# Altium PCB STM32MINI.PcbDoc (part 1 of 3) (continued)
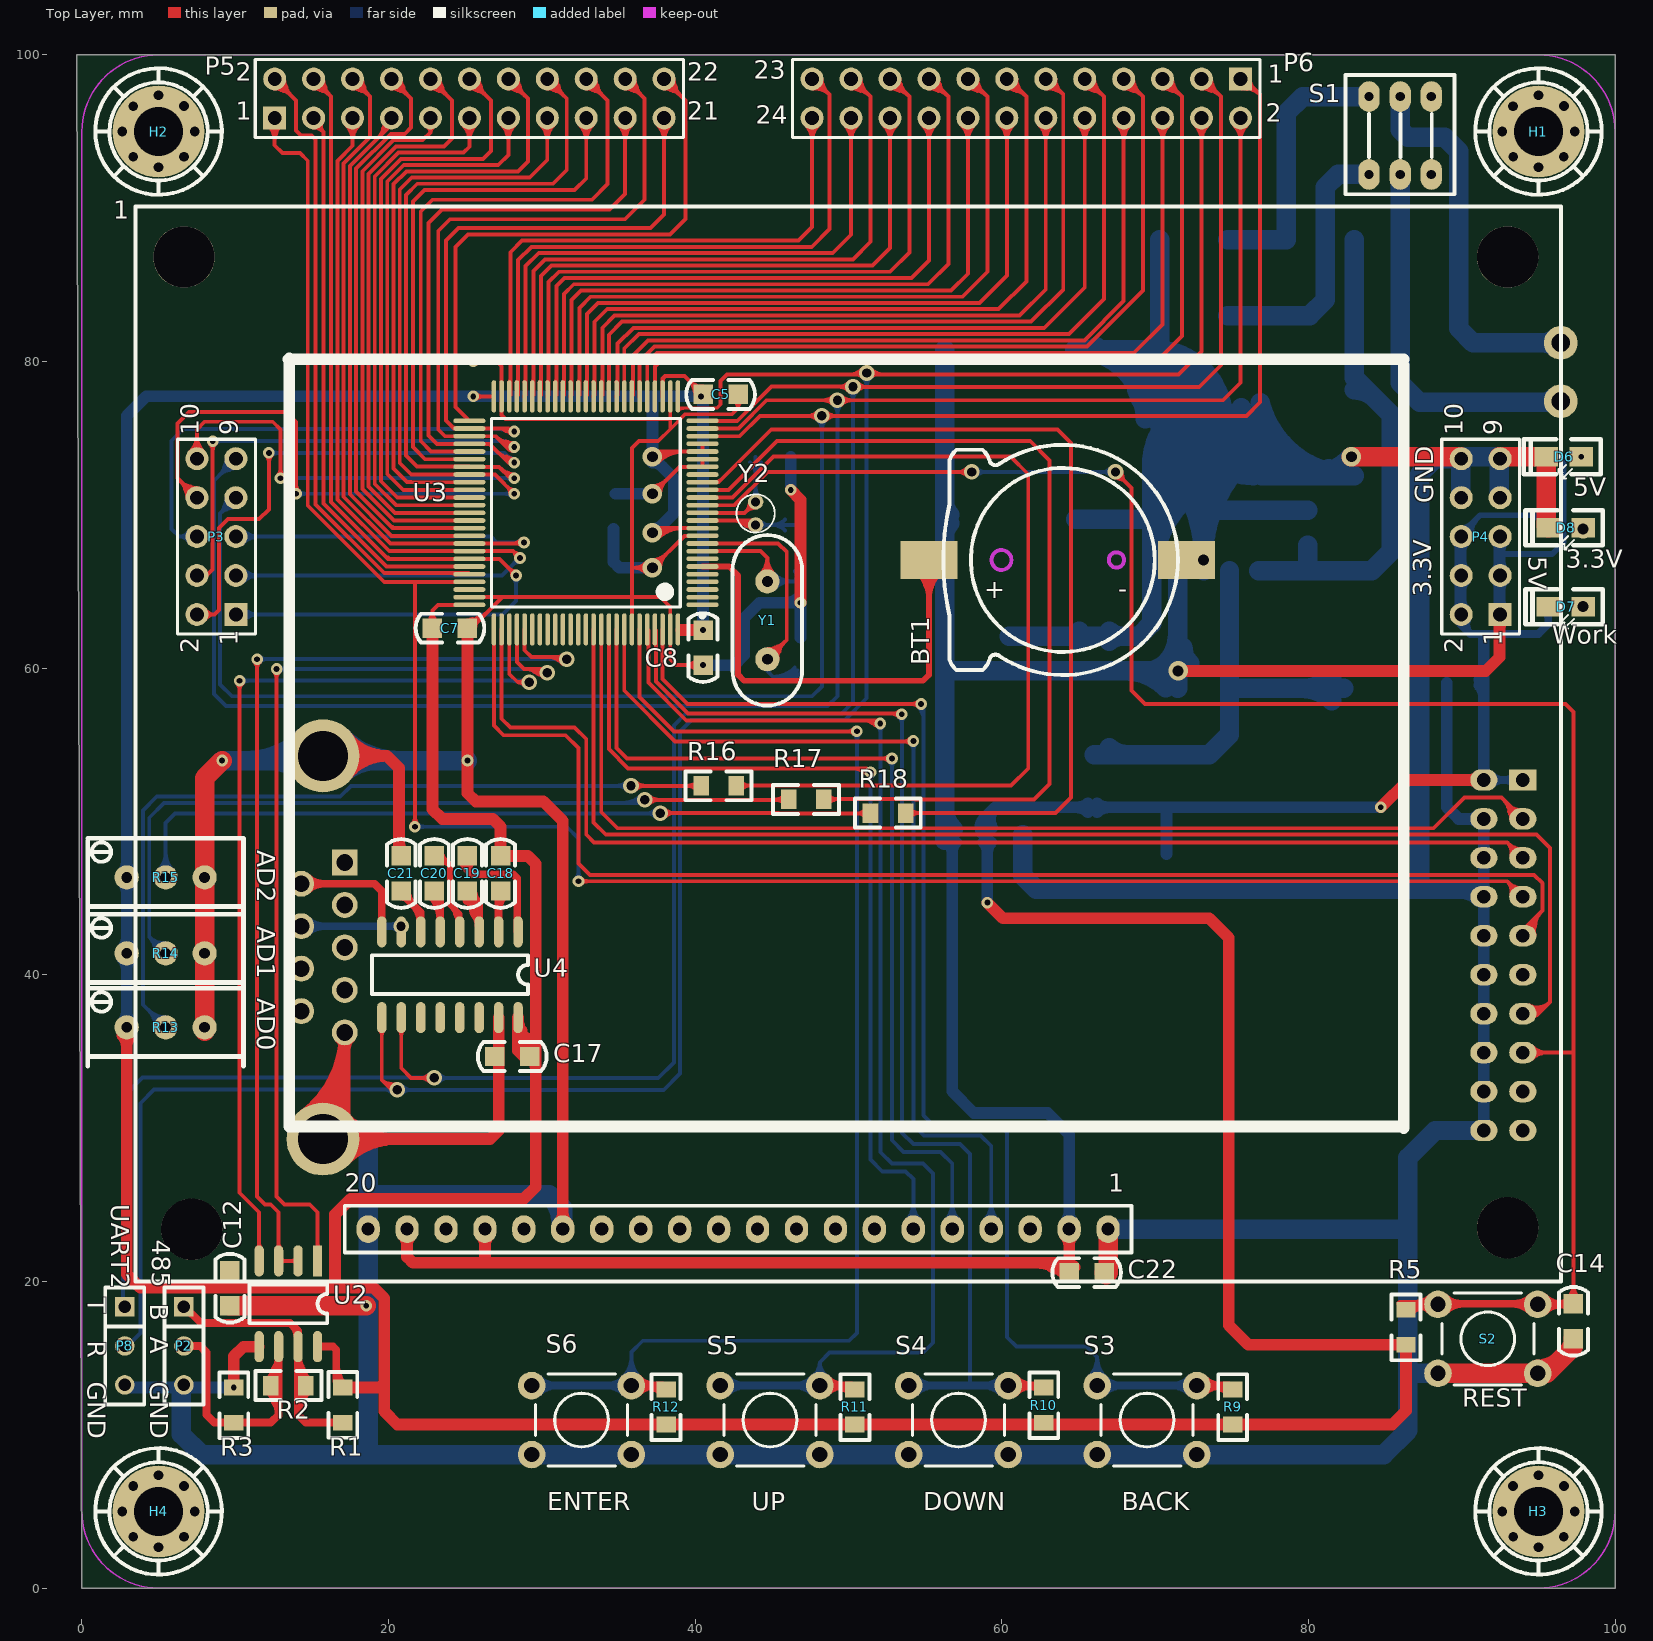
[diagram p0: Top Layer view]
## Nets (pads, with @x,y where several pads share a name; then routed paths per layer and width w, separated by ;. In a path a pad name is that pad's centre, name@x,y a point inside that pad or via, vN(x,y) a via of type N, cw(c..) or ccw(c..) an arc to the next point about the centre after c; other vN are vias at no path point) (continued)
  Top Layer w0.508: U2.8@15.367,15.748 16.383,15.748 16.586,15.545 R1.2@16.586,13.513 ; R1.2@16.683,13.227 ccw(c16.189,13.577) 16.713,13.88 ; 16.586,14.431 ccw(c18.241,14.431) 17.071,13.261 cw(c18.241,14.431) 16.586,14.431
  Top Layer w0.762: R13.1@2.634,36.035 cw(c1.94,35.341) 2.921,35.341 cw(c3.902,35.341) R13.1@3.208,36.035 ; R13.1@2.634,36.289 cw(c1.94,35.595) 2.921,35.595 cw(c3.902,35.595) R13.1@3.208,36.289 ; R13.1@2.921,36.322 2.921,20.472 3.81,19.583 ; 3.912,19.583 16.51,19.583 ; 9.652,19.71 C12.1@9.652,20.701 ; R1.2@17.018,13.081 19.431,13.081 19.71,13.36 ; C7.1@22.86,62.611 22.86,50.8 23.495,50.165 26.797,50.165 27.305,49.657 C18.2@27.305,47.752 29.083,47.752 29.591,47.244 C17.2@29.591,34.671 ; 28.448,35.772 ccw(c29.826,35.772) C17.2@29.051,34.632 ; 28.448,35.839 ccw(c30.033,35.839) C17.2@29.196,34.494 ; 28.537,35.228 ccw(c28.98,35.611) C17.2@29.318,35.133 ; 28.873,35.965 cw(c27.809,35.047) C17.2@29.211,34.944 ; C17.2@29.157,34.872 cw(c28.111,33.826) 29.591,33.826 ; C17.2@29.157,35.232 ccw(c28.111,36.278) 29.591,36.278 ; C17.2@29.284,34.745 cw(c28.544,34.005) 29.591,34.005 ; C17.2@29.284,35.105 ccw(c28.544,35.845) 29.591,35.845 ; C17.2@29.48,35.262 cw(c30.804,37.211) U4.16@28.448,37.211 ; C17.2@29.598,35.141 cw(c30.886,37.211) U4.16@28.448,37.211 ; 39.1,62.484 v1(40.513,62.484) ; v1(59.055,44.704) 60.071,43.688 73.533,43.688 74.803,42.418 74.803,17.145 76.073,15.875 R5.2@86.36,15.875 86.36,11.557 85.471,10.668 R9.2@75.057,10.668 R11.2@50.419,10.668 R12.2@38.1,10.668 20.574,10.668 19.71,11.532 19.71,13.36 ; v1(84.709,50.927) 86.487,52.705 P7.2@91.44,52.705 ; 16.51,19.583 19.026,19.583 19.71,18.899 19.71,13.36 ; 16.51,19.583 16.51,24.384 17.526,25.4 28.829,25.4 29.591,26.162 C17.2@29.591,34.671 ; U4.16@28.448,37.211 28.448,35.052 28.829,34.671 C17.2@29.591,34.671 ; 90.483,52.705 cw(c90.483,51.938) 91.025,52.48 ccw(c90.483,51.938) 90.483,52.705 ; 90.483,52.705 ccw(c90.483,53.472) 91.025,52.93 cw(c90.483,53.472) 90.483,52.705 ; U4.16@28.486,36.566 cw(c28.264,36.181) 28.693,36.296 ccw(c28.264,36.181) U4.16@28.486,36.566 ; 61.998,10.668 ccw(c61.998,11.408) 62.521,10.885 cw(c61.998,11.408) 61.998,10.668 ; R10.2@62.955,10.885 ccw(c63.478,11.408) 63.478,10.668 cw(c63.478,11.408) R10.2@62.955,10.885
  Bottom Layer w0.381: P4.6@89.916,68.707 91.186,69.977 94.742,69.977 R8.1@95.631,69.088 ; P4.6@90.02,68.387 ccw(c89.746,69.272) 90.641,69.032 ; R8.1@95.271,69.629 cw(c95.112,69.038) R8.1@95.691,69.235 ; P4.6@89.96,69.139 ccw(c89.96,70.077) 90.623,69.414 cw(c89.96,70.077) P4.6@89.96,69.139 ; P4.6@90.519,68.58 cw(c92.283,68.58) 91.036,69.827 ccw(c92.283,68.58) P4.6@90.519,68.58 ; 94.872,69.847 ccw(c95.631,70.606) 95.631,69.532 cw(c95.631,70.606) 94.872,69.847 ; R8.1@95.179,69.54 cw(c94.854,69.215) 95.314,69.215 ccw(c94.854,69.215) R8.1@95.179,69.54
  Bottom Layer w0.508: P4.2@89.916,63.627 89.916,62.865 90.551,62.23 ; P7.2@91.44,52.705 P7.1@93.98,52.705 ; R7.1@95.631,64.008 95.631,62.865 94.996,62.23 90.551,62.23 ; 90.551,62.23 cw(c91.173,62.852) 90.397,63.266 ccw(c91.173,62.852) 90.551,62.23 ; 92.704,52.705 cw(c92.704,53.778) 91.945,53.019 ccw(c92.704,53.778) 92.704,52.705 ; 92.704,52.705 ccw(c92.704,51.632) 91.945,52.391 cw(c92.704,51.632) 92.704,52.705 ; 92.716,52.705 cw(c92.716,51.632) 93.475,52.391 ccw(c92.716,51.632) 92.716,52.705 ; 92.716,52.705 ccw(c92.716,53.778) 93.475,53.019 cw(c92.716,53.778) 92.716,52.705 ; 95.631,63.268 cw(c96.244,63.268) 95.811,63.701 ccw(c96.244,63.268) 95.631,63.268 ; 95.631,63.268 ccw(c95.018,63.268) 95.451,63.701 cw(c95.018,63.268) 95.631,63.268 ; P4.2@89.949,63.506 ccw(c90.541,63.189) 90.067,62.714 cw(c90.541,63.189) P4.2@89.949,63.506
  Bottom Layer w0.762: R13.1@2.634,36.609 ccw(c1.94,37.303) 2.921,37.303 ccw(c3.902,37.303) R13.1@3.208,36.609 ; R13.1@2.634,36.863 ccw(c1.94,37.557) 2.921,37.557 ccw(c3.902,37.557) R13.1@3.208,36.863 ; R14.1@2.634,41.051 cw(c1.94,40.357) 2.921,40.357 cw(c3.902,40.357) R14.1@3.208,41.051 ; R14.1@2.634,41.115 cw(c1.94,40.421) 2.921,40.421 cw(c3.902,40.421) R14.1@3.208,41.115 ; R14.1@2.634,41.626 ccw(c1.94,42.32) 2.921,42.32 ccw(c3.902,42.32) R14.1@3.208,41.626 ; R14.1@2.634,41.689 ccw(c1.94,42.383) 2.921,42.383 ccw(c3.902,42.383) R14.1@3.208,41.689 ; R13.1@2.921,36.322 R13.1@2.921,36.576 R14.1@2.921,41.402 R15.1@2.921,46.355 2.921,76.454 4.191,77.724 v1(25.527,77.724) v1(40.386,77.724) ; v4(37.211,68.834) 37.338,68.834 38.608,70.104 38.608,72.39 v4(37.211,73.787) 37.211,77.597 ; v1(40.513,62.484) v1@40.513,77.597 ; v1(59.055,44.704) U1.2@59.055,49.149 59.055,50.419 59.563,50.927 ; C9.1@70.739,47.879 70.739,50.8 ; v1(84.709,50.927) 59.563,50.927 ; P4.2@89.916,63.627 P4.6@89.916,68.707 ; P7.2@91.44,52.705 91.44,61.963 ; 2.921,45.374 cw(c3.902,45.374) 3.208,46.068 ccw(c3.902,45.374) 2.921,45.374 ; 2.921,45.374 ccw(c1.94,45.374) 2.634,46.068 cw(c1.94,45.374) 2.921,45.374 ; 2.921,47.336 cw(c1.94,47.336) 2.634,46.642 ccw(c1.94,47.336) 2.921,47.336 ; 2.921,47.336 ccw(c3.902,47.336) 3.208,46.642 cw(c3.902,47.336) 2.921,47.336 ; C4.1@37.211,69.088 ccw(c37.211,70.008) 37.861,69.357 ; C4.1@37.211,69.088 ccw(c37.211,70.008) 37.861,69.357 ; C4.1@37.211,69.088 ccw(c37.211,70.008) 37.861,69.357 ; C4.1@37.211,69.088 ccw(c37.211,70.008) 37.861,69.357 ; 59.055,48.006 cw(c59.944,48.006) 59.315,48.635 ccw(c59.944,48.006) 59.055,48.006 ; 59.055,48.006 ccw(c58.166,48.006) 58.795,48.635 cw(c58.166,48.006) 59.055,48.006 ; 59.055,50.292 cw(c58.166,50.292) 58.795,49.663 ccw(c58.166,50.292) 59.055,50.292 ; 59.055,50.292 ccw(c59.944,50.292) 59.315,49.663 cw(c59.944,50.292) 59.055,50.292 ; 59.563,50.927 ccw(c60.358,50.132) 59.376,49.583 cw(c60.358,50.132) 59.563,50.927 ; 91.44,53.472 cw(c90.673,53.472) 91.215,52.93 ccw(c90.673,53.472) 91.44,53.472 ; 91.44,53.472 ccw(c92.207,53.472) 91.665,52.93 cw(c92.207,53.472) 91.44,53.472 ; C15.2@37.211,73.406 cw(c37.211,72.486) 37.861,73.137 ccw(c37.211,72.486) C15.2@37.211,73.406 ; U1.2@58.711,49.211 cw(c59.444,49.621) 58.851,50.215 ccw(c59.444,49.621) U1.2@58.711,49.211 ; 64.819,50.927 cw(c64.819,49.799) 65.617,50.597 ccw(c64.819,49.799) 64.819,50.927 ; 64.984,50.927 ccw(c64.984,51.822) 65.617,51.189 cw(c64.984,51.822) 64.984,50.927 ; CP2.1@66.209,50.597 cw(c67.007,49.799) 67.007,50.927 ccw(c67.007,49.799) CP2.1@66.209,50.597 ; CP2.1@66.209,51.189 ccw(c66.842,51.822) 66.842,50.927 cw(c66.842,51.822) CP2.1@66.209,51.189 ; P4.2@89.699,63.761 ccw(c89.175,64.285) 89.916,64.285 cw(c89.175,64.285) P4.2@89.699,63.761 ; P4.4@89.699,65.779 cw(c89.175,65.255) 89.916,65.255 ccw(c89.175,65.255) P4.4@89.699,65.779 ; P4.4@89.699,66.301 ccw(c89.175,66.825) 89.916,66.825 cw(c89.175,66.825) P4.4@89.699,66.301 ; P4.6@89.699,68.319 cw(c89.175,67.795) 89.916,67.795 ccw(c89.175,67.795) P4.6@89.699,68.319 ; 89.916,64.497 ccw(c90.957,64.497) 90.221,63.761 cw(c90.957,64.497) 89.916,64.497 ; 89.916,65.043 cw(c90.957,65.043) 90.221,65.779 ccw(c90.957,65.043) 89.916,65.043 ; 89.916,67.037 ccw(c90.957,67.037) 90.221,66.301 cw(c90.957,67.037) 89.916,67.037 ; 89.916,67.583 cw(c90.957,67.583) 90.221,68.319 ccw(c90.957,67.583) 89.916,67.583 ; C16.1@91.133,58.875 cw(c90.393,58.135) 91.44,58.135 ccw(c90.393,58.135) C16.1@91.133,58.875 ; C16.1@91.133,59.235 ccw(c90.393,59.975) 91.44,59.975 cw(c90.393,59.975) C16.1@91.133,59.235
5V: 1.2 1.17 1.19 C10.1 C22.2 CP3.1 CP4.1 L1.2 LM1.4 P4.1 P4.3 P4.5 R6.1 U1.3 | length 243.9
  Top Layer w0.762: 1.19@21.206,23.412 21.206,21.593 21.59,21.209 64.389,21.209 ; 26.286,21.333 1.17@26.286,23.412 ; 63.222,20.964 ccw(c63.948,22.221) C22.2@64.323,20.819 ; C22.2@64.389,20.574 64.389,21.209 ; 1.2@64.643,23.669 64.389,23.415 64.389,21.209 ; v4(71.501,59.817) 91.567,59.817 92.456,60.706 P4.1@92.456,63.627 ; 21.206,22.354 cw(c22.126,22.354) 21.476,23.004 ccw(c22.126,22.354) 21.206,22.354 ; 21.206,22.354 ccw(c20.286,22.354) 20.937,23.004 cw(c20.286,22.354) 21.206,22.354 ; 26.286,22.354 cw(c27.206,22.354) 26.556,23.004 ccw(c27.206,22.354) 26.286,22.354 ; 26.286,22.354 ccw(c25.366,22.354) 26.017,23.004 cw(c25.366,22.354) 26.286,22.354 ; 62.243,21.209 cw(c62.243,18.428) 64.209,20.394 ccw(c62.243,18.428) 62.243,21.209 ; 64.082,21.209 cw(c64.082,20.267) 64.748,20.933 ccw(c64.082,20.267) 64.082,21.209 ; 1.2@64.117,23.004 cw(c63.46,22.347) 64.389,22.347 ccw(c63.46,22.347) 1.2@64.117,23.004 ; 64.389,22.361 cw(c65.299,22.361) 64.656,23.004 ccw(c65.299,22.361) 64.389,22.361 ; P4.1@92.239,63.239 cw(c91.715,62.715) 92.456,62.715 ccw(c91.715,62.715) P4.1@92.239,63.239 ; 92.456,62.503 cw(c93.497,62.503) 92.761,63.239 ccw(c93.497,62.503) 92.456,62.503
  Bottom Layer w0.381: 92.456,67.437 95.885,67.437 96.647,68.199 96.647,73.533 96.393,73.787 R6.1@95.504,73.787 ; 96.271,73.787 cw(c96.271,74.554) 95.729,74.012 ccw(c96.271,74.554) 96.271,73.787 ; 96.271,73.787 ccw(c96.271,73.02) 95.729,73.562 cw(c96.271,73.02) 96.271,73.787
  Bottom Layer w0.762: 1.17@26.162,23.288 1.17@26.286,23.412 ; U1.3@56.755,49.149 56.755,32.399 58.166,30.988 62.992,30.988 64.386,29.594 1.2@64.386,23.412 ; P4.1@92.456,63.627 92.456,67.437 P4.5@92.456,68.707 ; 56.755,48.006 cw(c57.644,48.006) 57.015,48.635 ccw(c57.644,48.006) 56.755,48.006 ; 56.755,48.006 ccw(c55.866,48.006) 56.495,48.635 cw(c55.866,48.006) 56.755,48.006 ; 64.386,24.47 cw(c63.466,24.47) 64.117,23.819 ccw(c63.466,24.47) 64.386,24.47 ; 64.386,24.47 ccw(c65.306,24.47) 64.656,23.819 cw(c65.306,24.47) 64.386,24.47 ; P4.1@92.239,63.761 ccw(c91.715,64.285) 92.456,64.285 cw(c91.715,64.285) P4.1@92.239,63.761 ; P4.3@92.239,65.779 cw(c91.715,65.255) 92.456,65.255 ccw(c91.715,65.255) P4.3@92.239,65.779 ; P4.3@92.239,66.301 ccw(c91.715,66.825) 92.456,66.825 cw(c91.715,66.825) P4.3@92.239,66.301 ; P4.5@92.239,68.319 cw(c91.715,67.795) 92.456,67.795 ccw(c91.715,67.795) P4.5@92.239,68.319 ; 92.456,64.497 ccw(c93.497,64.497) 92.761,63.761 cw(c93.497,64.497) 92.456,64.497 ; 92.456,65.043 cw(c93.497,65.043) 92.761,65.779 ccw(c93.497,65.043) 92.456,65.043 ; 92.456,67.037 ccw(c93.497,67.037) 92.761,66.301 cw(c93.497,67.037) 92.456,67.037 ; 92.456,67.583 cw(c93.497,67.583) 92.761,68.319 ccw(c93.497,67.583) 92.456,67.583
  Bottom Layer w1.27: U1.3@56.261,48.768 56.261,59.817 ; CP4.1@56.261,80.772 56.261,59.817 ; L1.2@71.334,59.817 C10.1@60.452,59.817 56.261,59.817 ; L1.2@71.461,58.679 LM1.4@71.461,66.359 ; L1.2@70.677,60.312 cw(c69.481,61.508) 69.481,59.817 ccw(c69.481,61.508) L1.2@70.677,60.312 ; L1.2@70.677,60.312 ccw(c68.785,62.204) 71.461,62.204 cw(c68.785,62.204) L1.2@70.677,60.312 ; v4(71.501,59.817) ccw(c70.362,60.826) 71.786,61.36 ; v4(71.501,59.817) ccw(c70.362,60.826) 71.786,61.36 ; v4(71.501,59.817) ccw(c70.362,60.826) 71.786,61.36 ; 56.261,50.872 ccw(c58.224,50.872) 56.836,49.484 cw(c58.224,50.872) 56.261,50.872 ; 56.261,68.617 cw(c57.435,68.617) 56.605,69.447 ccw(c57.435,68.617) 56.261,68.617 ; 56.261,70.829 ccw(c57.435,70.829) 56.605,69.999 cw(c57.435,70.829) 56.261,70.829 ; 68.066,59.817 cw(c68.066,56.125) 70.677,58.736 ccw(c68.066,56.125) 68.066,59.817 ; 71.461,62.227 ccw(c74.169,62.227) 72.254,60.312 cw(c74.169,62.227) 71.461,62.227
485_CS: U2.2 U2.3 U3.80 | length 80.9
  Top Layer w0.254: v1(11.43,60.579) 11.43,25.527 11.938,25.019 12.319,25.019 12.827,24.511 U2.3@12.827,21.336 U2.2@14.097,21.336 ; U3.80@28.873,62.528 28.873,61.17 29.312,60.731 31.471,60.731 v3(31.623,60.579) ; 11.43,59.966 cw(c12.043,59.966) 11.61,60.399 ccw(c12.043,59.966) 11.43,59.966 ; 11.43,59.966 ccw(c10.817,59.966) 11.25,60.399 cw(c10.817,59.966) 11.43,59.966 ; 12.827,22.476 cw(c12.398,22.476) 12.701,22.173 ccw(c12.398,22.476) 12.827,22.476 ; 12.827,22.476 ccw(c13.256,22.476) 12.953,22.173 cw(c13.256,22.476) 12.827,22.476 ; 13.256,21.336 cw(c13.256,21.765) 12.953,21.462 ccw(c13.256,21.765) 13.256,21.336 ; 13.256,21.336 ccw(c13.256,20.907) 12.953,21.21 cw(c13.256,20.907) 13.256,21.336 ; 13.668,21.336 cw(c13.668,20.907) 13.971,21.21 ccw(c13.668,20.907) 13.668,21.336 ; 13.668,21.336 ccw(c13.668,21.765) 13.971,21.462 cw(c13.668,21.765) 13.668,21.336 ; 30.335,60.731 cw(c30.335,59.291) 31.354,60.31 ccw(c30.335,59.291) 30.335,60.731 ; 30.948,60.731 cw(c30.948,59.904) 31.533,60.489 ccw(c30.948,59.904) 30.948,60.731 ; 31.071,60.731 ccw(c31.071,61.131) 31.354,60.848 cw(c31.071,61.131) 31.071,60.731
  Bottom Layer w0.254: v1(11.43,60.579) 11.455,60.604 31.598,60.604 v3(31.623,60.579) ; v1@11.61,60.399 cw(c12.105,59.904) 12.105,60.604 ccw(c12.105,59.904) v1@11.61,60.399 ; v1@11.61,60.759 ccw(c11.982,61.131) 11.982,60.604 cw(c11.982,61.131) v1@11.61,60.759 ; 30.642,60.604 cw(c30.642,59.598) 31.354,60.31 ccw(c30.642,59.598) 30.642,60.604 ; 30.765,60.604 ccw(c30.765,61.437) 31.354,60.848 cw(c30.765,61.437) 30.765,60.604
485_RX: U2.1 U3.79 | length 81.3
  Top Layer w0.254: v1(12.7,59.944) 12.7,25.527 13.208,25.019 14.859,25.019 15.367,24.511 U2.1@15.367,21.336 ; U3.79@28.373,62.528 28.373,60.4 28.829,59.944 ; 29.473,59.777 ccw(c29.687,60.144) v3@30.038,59.905 ; 29.709,59.64 ccw(c29.913,59.99) v3@30.248,59.762 ; v3@29.978,59.62 ccw(c29.62,59.553) 29.804,59.868 ccw(c29.898,60.03) v3@30.048,59.918 ; v3(30.353,59.69) 30.353,59.944 28.829,59.944 ; 12.7,59.331 cw(c13.313,59.331) 12.88,59.764 ccw(c13.313,59.331) 12.7,59.331 ; 12.7,59.331 ccw(c12.087,59.331) 12.52,59.764 cw(c12.087,59.331) 12.7,59.331 ; 15.367,22.476 cw(c14.938,22.476) 15.241,22.173 ccw(c14.938,22.476) 15.367,22.476 ; 15.367,22.476 ccw(c15.796,22.476) 15.493,22.173 cw(c15.796,22.476) 15.367,22.476 ; 28.829,59.944 cw(c28.829,58.179) 30.082,59.422 ccw(c28.829,58.179) 28.829,59.944 ; 29.439,59.944 cw(c29.439,58.783) 30.263,59.601 ccw(c29.439,58.783) 29.439,59.944
  Bottom Layer w0.254: v1(12.7,59.944) 30.353,59.944 v3(30.353,59.69) ; 29.467,59.777 ccw(c29.683,60.152) v3@30.039,59.906 ; 29.705,59.639 ccw(c29.91,59.995) v3@30.248,59.762 ; v3@29.979,59.616 ccw(c29.61,59.543) 29.798,59.869 ccw(c29.895,60.036) v3@30.049,59.919 ; 13.313,59.944 cw(c13.313,60.557) 12.88,60.124 ccw(c13.313,60.557) 13.313,59.944 ; 13.313,59.944 ccw(c13.313,59.331) 12.88,59.764 cw(c13.313,59.331) 13.313,59.944 ; 28.82,59.944 cw(c28.82,58.157) 30.084,59.421 ccw(c28.82,58.157) 28.82,59.944 ; 29.433,59.944 cw(c29.433,58.77) 30.263,59.6 ccw(c29.433,58.77) 29.433,59.944
485_TX: U2.4 U3.78 | length 73
  Top Layer w0.254: v1(10.287,59.182) 10.287,25.781 11.557,24.511 U2.4@11.557,21.336 ; U3.78@27.873,62.528 27.873,59.63 28.423,59.08 ; v3(29.185,59.08) 28.423,59.08 ; 10.287,58.569 cw(c10.9,58.569) 10.467,59.002 ccw(c10.9,58.569) 10.287,58.569 ; 10.287,58.569 ccw(c9.674,58.569) 10.107,59.002 cw(c9.674,58.569) 10.287,58.569 ; 11.557,22.476 cw(c11.128,22.476) 11.431,22.173 ccw(c11.128,22.476) 11.557,22.476 ; 11.557,22.476 ccw(c11.986,22.476) 11.683,22.173 cw(c11.986,22.476) 11.557,22.476 ; 28.423,59.08 cw(c28.423,58.509) 28.88,58.852 ccw(c28.423,58.509) 28.423,59.08 ; 28.423,59.08 ccw(c28.423,59.652) 28.88,59.309 cw(c28.423,59.652) 28.423,59.08
  Bottom Layer w0.254: v1(10.287,59.182) 29.083,59.182 v3(29.185,59.08) ; 10.9,59.182 cw(c10.9,59.795) 10.467,59.362 ccw(c10.9,59.795) 10.9,59.182 ; 10.9,59.182 ccw(c10.9,58.569) 10.467,59.002 cw(c10.9,58.569) 10.9,59.182 ; 28.019,59.182 cw(c28.019,57.915) 28.915,58.811 ccw(c28.019,57.915) 28.019,59.182 ; 28.51,59.182 ccw(c28.51,59.755) 28.915,59.35 cw(c28.51,59.755) 28.51,59.182 ; 28.633,59.182 cw(c28.633,58.529) 29.095,58.991 ccw(c28.633,58.529) 28.633,59.182
AD0: R16.1 U3.15 | length 63
  Top Layer w0.254: U3.15@40.473,71.128 42.426,71.128 45.111,73.813 60.553,73.813 61.722,72.644 61.722,53.467 60.604,52.349 42.697,52.349 R16.1@42.672,52.324 ; R16.1@42.941,52.055 cw(c43.653,51.343) 43.653,52.349 ; R16.1@42.941,52.593 ccw(c43.53,53.182) 43.53,52.349
AD1: R17.1 U3.16 | length 62.2
  Top Layer w0.254: U3.16@40.473,71.628 42.164,71.628 45.339,74.803 61.849,74.803 63.119,73.533 63.119,52.451 62.103,51.435 54.37,51.435 54.345,51.46 48.412,51.46 R17.1@48.387,51.435 ; R17.1@48.656,51.166 cw(c49.368,50.454) 49.368,51.46 ; R17.1@48.656,51.704 ccw(c49.245,52.293) 49.245,51.46
AD2: R18.1 U3.17 | length 62.3
  Top Layer w0.254: U3.17@40.473,72.128 41.521,72.128 44.958,75.565 63.627,75.565 64.516,74.676 64.516,51.562 63.5,50.546 R18.1@53.721,50.546 ; R18.1@53.99,50.277 cw(c54.641,49.626) 54.641,50.546 cw(c54.641,51.466) R18.1@53.99,50.815 ; U3.17@41.373,72.151 ccw(c41.373,72.564) 41.665,72.272 cw(c41.373,72.564) U3.17@41.373,72.151
AD_OC: P3.9 P6.2 U3.24 | length 156.1
  Top Layer w0.254: U3.24@40.473,75.628 42.816,75.628 44.658,77.47 v3(49.276,77.47) 74.422,77.47 75.565,78.613 P6.2@75.565,95.885 P6.2@75.565,96.012 ; 48.356,77.47 cw(c48.356,76.55) 49.007,77.201 ccw(c48.356,76.55) 48.356,77.47 ; 48.356,77.47 ccw(c48.356,78.39) 49.007,77.739 cw(c48.356,78.39) 48.356,77.47 ; 50.196,77.47 cw(c50.196,78.39) 49.545,77.739 ccw(c50.196,78.39) 50.196,77.47 ; 50.196,77.47 ccw(c50.196,76.55) 49.545,77.201 cw(c50.196,76.55) 50.196,77.47 ; 75.565,94.381 cw(c77.069,94.381) 76.006,95.444 ccw(c77.069,94.381) 75.565,94.381 ; 75.565,94.381 ccw(c74.061,94.381) 75.124,95.444 cw(c74.061,94.381) 75.565,94.381 ; 75.565,94.994 cw(c76.456,94.994) 75.826,95.624 ccw(c76.456,94.994) 75.565,94.994 ; 75.565,94.994 ccw(c74.674,94.994) 75.304,95.624 cw(c74.674,94.994) 75.565,94.994
  Bottom Layer w0.254: 9.265,73.092 cw(c10.208,72.84) P3.9@10.012,73.796 ; 9.472,72.885 ccw(c9.22,73.828) P3.9@10.176,73.632 ; P3.9@10.04,73.66 8.604,72.224 8.604,58.325 9.398,57.531 48.641,57.531 49.276,58.166 v3(49.276,77.47) ; 8.976,72.596 cw(c10.04,71.533) 10.04,73.037 ccw(c10.04,71.533) 8.976,72.596 ; 8.976,72.596 ccw(c7.913,73.66) 9.417,73.66 cw(c7.913,73.66) 8.976,72.596 ; 9.41,73.03 cw(c10.04,72.4) 10.04,73.291 ccw(c10.04,72.4) 9.41,73.03 ; 9.41,73.03 ccw(c8.78,73.66) 9.671,73.66 cw(c8.78,73.66) 9.41,73.03 ; 49.276,76.55 cw(c50.196,76.55) 49.545,77.201 ccw(c50.196,76.55) 49.276,76.55 ; 49.276,76.55 ccw(c48.356,76.55) 49.007,77.201 cw(c48.356,76.55) 49.276,76.55
AD_OV: P3.7 P6.1 U3.23 | length 154
  Top Layer w0.254: U3.23@40.473,75.128 42.891,75.128 44.217,76.454 v3(48.26,76.454) 75.946,76.454 76.835,77.343 76.835,97.409 ; P6.1@75.255,98.184 ccw(c76.128,98.862) P6.1@75.99,97.765 ; P6.1@75.565,98.552 75.692,98.552 76.835,97.409 ; 47.34,76.454 cw(c47.34,75.534) 47.991,76.185 ccw(c47.34,75.534) 47.34,76.454 ; 47.34,76.454 ccw(c47.34,77.374) 47.991,76.723 cw(c47.34,77.374) 47.34,76.454 ; 49.18,76.454 cw(c49.18,77.374) 48.529,76.723 ccw(c49.18,77.374) 49.18,76.454 ; 49.18,76.454 ccw(c49.18,75.534) 48.529,76.185 cw(c49.18,75.534) 49.18,76.454 ; 76.835,97.409 ccw(c75.841,96.415) 75.65,97.808 cw(c75.841,96.415) 76.835,97.409 ; P6.1@75.615,98.059 cw(c75.754,97.051) 76.473,97.771 ccw(c75.754,97.051) P6.1@75.615,98.059 ; P6.1@76.188,98.425 ccw(c77.079,98.425) 76.449,97.795 cw(c77.079,98.425) P6.1@76.188,98.425
  Bottom Layer w0.254: 9.274,70.502 cw(c10.271,70.265) P3.7@10.004,71.254 ; 9.422,70.354 ccw(c9.185,71.351) P3.7@10.174,71.084 ; P3.7@10.04,71.12 9.017,70.097 ; v3@48.26,76.581 v3(48.26,76.454) 48.26,58.801 47.625,58.166 9.779,58.166 9.011,58.934 9.011,69.013 9.017,69.019 9.017,70.097 ; 9.017,70.097 cw(c9.984,69.13) 10.023,70.497 ccw(c9.984,69.13) 9.017,70.097 ; 9.017,70.097 ccw(c8.05,71.064) 9.417,71.103 cw(c8.05,71.064) 9.017,70.097 ; 9.434,70.514 cw(c10.007,69.941) 10.03,70.751 ccw(c10.007,69.941) 9.434,70.514 ; 9.434,70.514 ccw(c8.861,71.087) 9.671,71.11 cw(c8.861,71.087) 9.434,70.514 ; 48.26,75.534 cw(c49.18,75.534) 48.529,76.185 ccw(c49.18,75.534) 48.26,75.534 ; 48.26,75.534 ccw(c47.34,75.534) 47.991,76.185 cw(c47.34,75.534) 48.26,75.534
AGND: C15.1 R4.1 U3.19 U3.20 | length 12.7
  Top Layer w0.254: 37.851,72.053 ccw(c38.081,71.196) v4(37.211,71.374) ; 37.89,72.014 cw(c37.033,72.244) v4(37.211,71.374) ; U3.20@40.473,73.628 U3.19@40.473,73.128 38.965,73.128 v4(37.211,71.374) ; 38.078,72.241 cw(c37.211,73.108) 37.211,71.882 ccw(c37.211,73.108) 38.078,72.241 ; 38.078,72.241 ccw(c38.945,71.374) 37.719,71.374 cw(c38.945,71.374) 38.078,72.241
  Bottom Layer w0.762: R4.1@34.798,71.374 v4(37.211,71.374)
BREAK: P3.8 P5.15 U3.58 | length 97.8
  Top Layer w0.254: 6.725,71.688 ccw(c7.668,71.94) P3.8@7.472,70.984 ; 6.932,71.895 cw(c6.68,70.952) P3.8@7.636,71.148 ; P3.8@7.5,71.12 6.223,72.397 6.223,75.946 6.985,76.708 13.335,76.708 13.97,76.073 v1(13.97,71.374) ; 27.854,71.694 ccw(c28.283,71.809) v1(28.194,71.374) ; 27.874,71.714 cw(c27.759,71.285) v1(28.194,71.374) ; P5.15@30.353,95.885 30.353,93.142 29.21,91.999 21.514,91.999 20.726,91.211 20.726,73.381 21.479,72.628 U3.58@25.273,72.628 26.94,72.628 v1(28.194,71.374) ; 6.436,72.184 cw(c5.373,71.12) 6.877,71.12 ccw(c5.373,71.12) 6.436,72.184 ; 6.436,72.184 ccw(c7.5,73.247) 7.5,71.743 cw(c7.5,73.247) 6.436,72.184 ; 6.87,71.75 cw(c6.24,71.12) 7.131,71.12 ccw(c6.24,71.12) 6.87,71.75 ; 6.87,71.75 ccw(c7.5,72.38) 7.5,71.489 cw(c7.5,72.38) 6.87,71.75 ; 13.97,71.987 cw(c13.357,71.987) 13.79,71.554 ccw(c13.357,71.987) 13.97,71.987 ; 13.97,71.987 ccw(c14.583,71.987) 14.15,71.554 cw(c14.583,71.987) 13.97,71.987 ; 27.76,71.808 cw(c27.327,71.374) 27.94,71.374 ccw(c27.327,71.374) 27.76,71.808 ; 27.76,71.808 ccw(c28.194,72.241) 28.194,71.628 cw(c28.194,72.241) 27.76,71.808 ; 30.353,94.381 cw(c31.857,94.381) 30.794,95.444 ccw(c31.857,94.381) 30.353,94.381 ; 30.353,94.381 ccw(c28.849,94.381) 29.912,95.444 cw(c28.849,94.381) 30.353,94.381 ; 30.353,94.994 cw(c31.244,94.994) 30.614,95.624 ccw(c31.244,94.994) 30.353,94.994 ; 30.353,94.994 ccw(c29.462,94.994) 30.092,95.624 cw(c29.462,94.994) 30.353,94.994
  Bottom Layer w0.254: v1(13.97,71.374) v1(28.194,71.374) ; 14.583,71.374 cw(c14.583,71.987) 14.15,71.554 ccw(c14.583,71.987) 14.583,71.374 ; 14.583,71.374 ccw(c14.583,70.761) 14.15,71.194 cw(c14.583,70.761) 14.583,71.374 ; 27.581,71.374 cw(c27.581,70.761) 28.014,71.194 ccw(c27.581,70.761) 27.581,71.374 ; 27.581,71.374 ccw(c27.581,71.987) 28.014,71.554 cw(c27.581,71.987) 27.581,71.374
EINT: U3.1